# Altium PCB DRV8432有刷直流电机驱动.PcbDoc
Units mm, origin at the board's own origin, x right, y up, seen from the top; angles counter-clockwise.
Board outline 50 x 90 mm, 2 copper layers (Top Layer, Bottom Layer); 84 components, 58 nets, 263 pads, 85 vias.
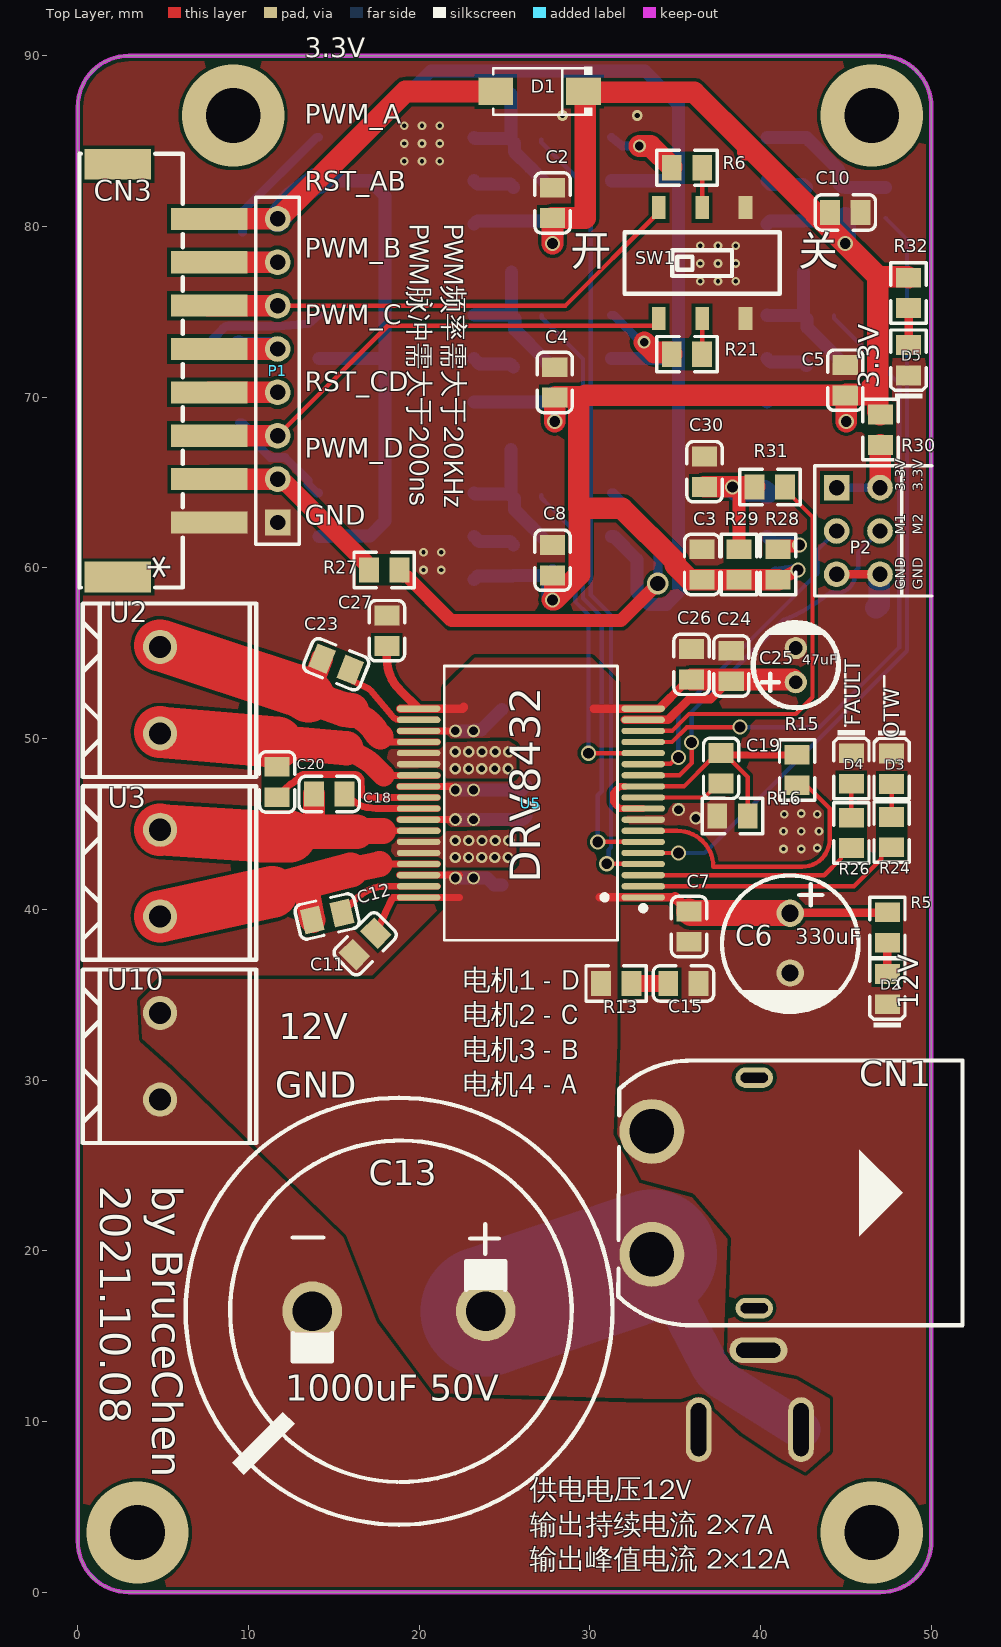
[diagram p0: Top Layer view]
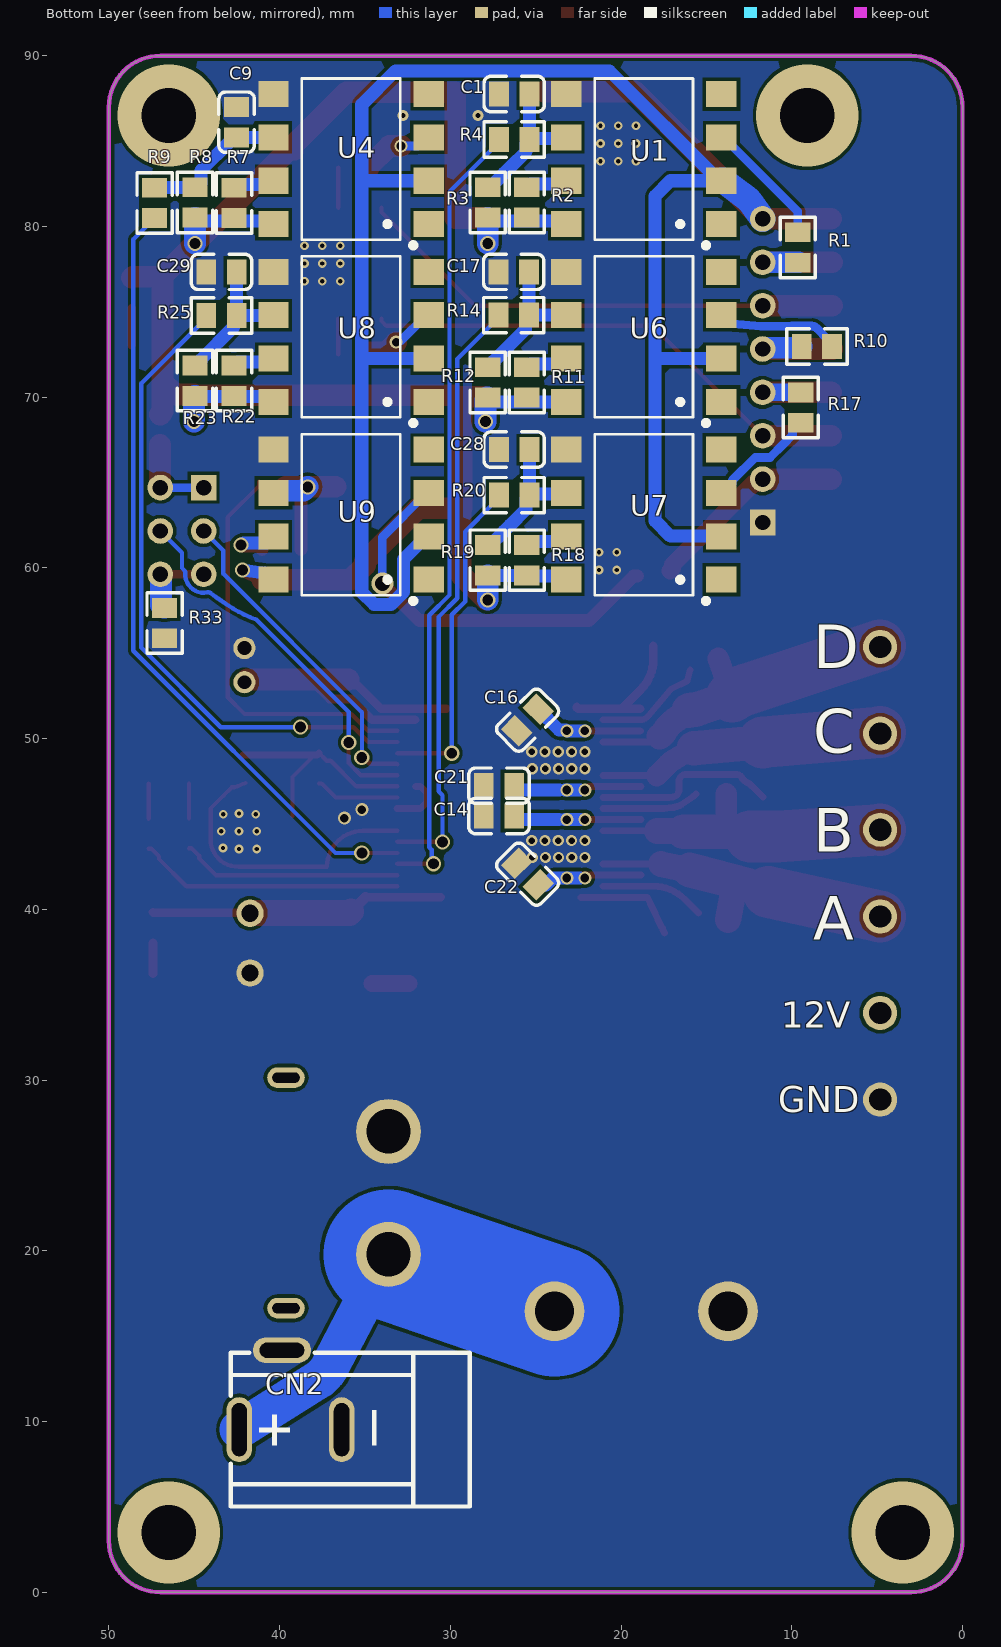
[diagram p1: Bottom Layer view, seen from below]
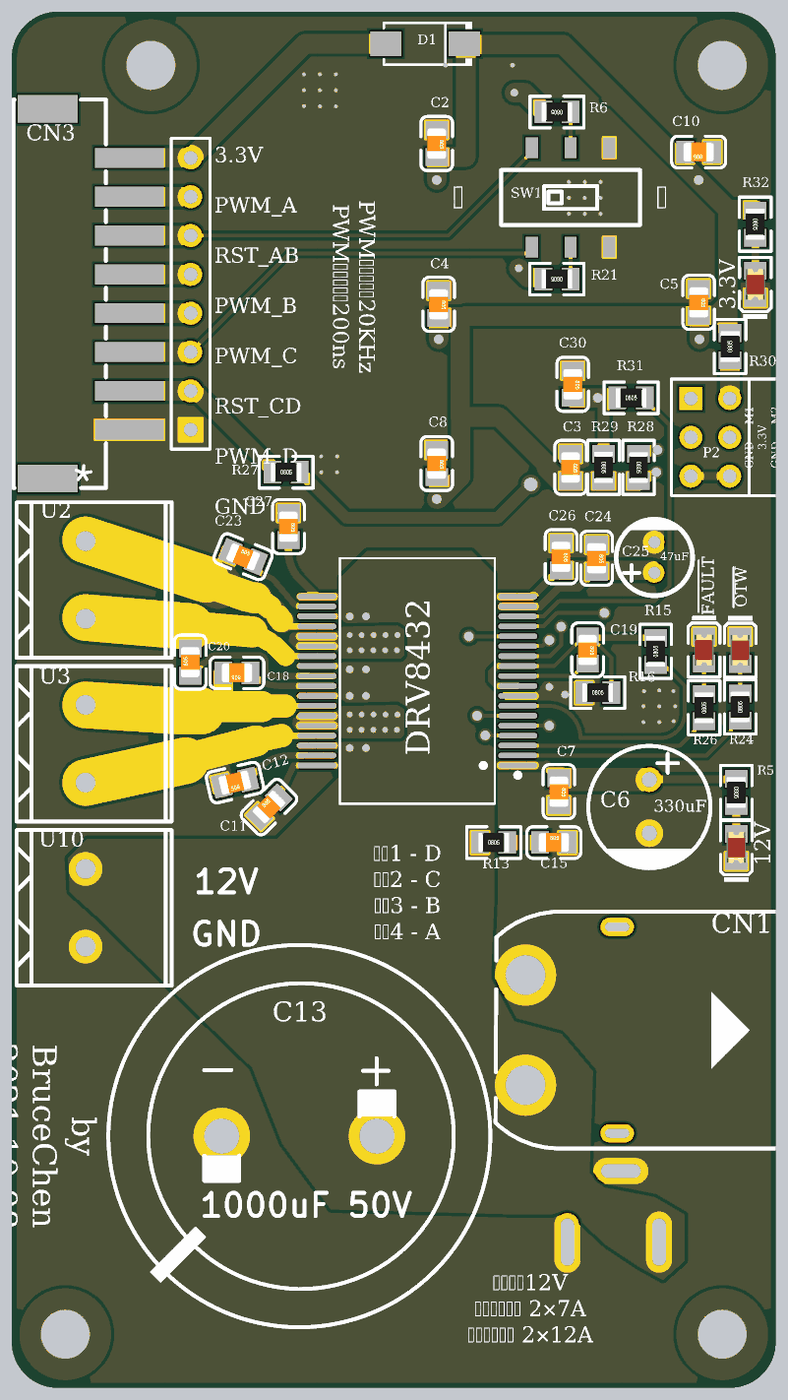
[diagram p2: 3D render of the assembled board from above, using the file's embedded part models]
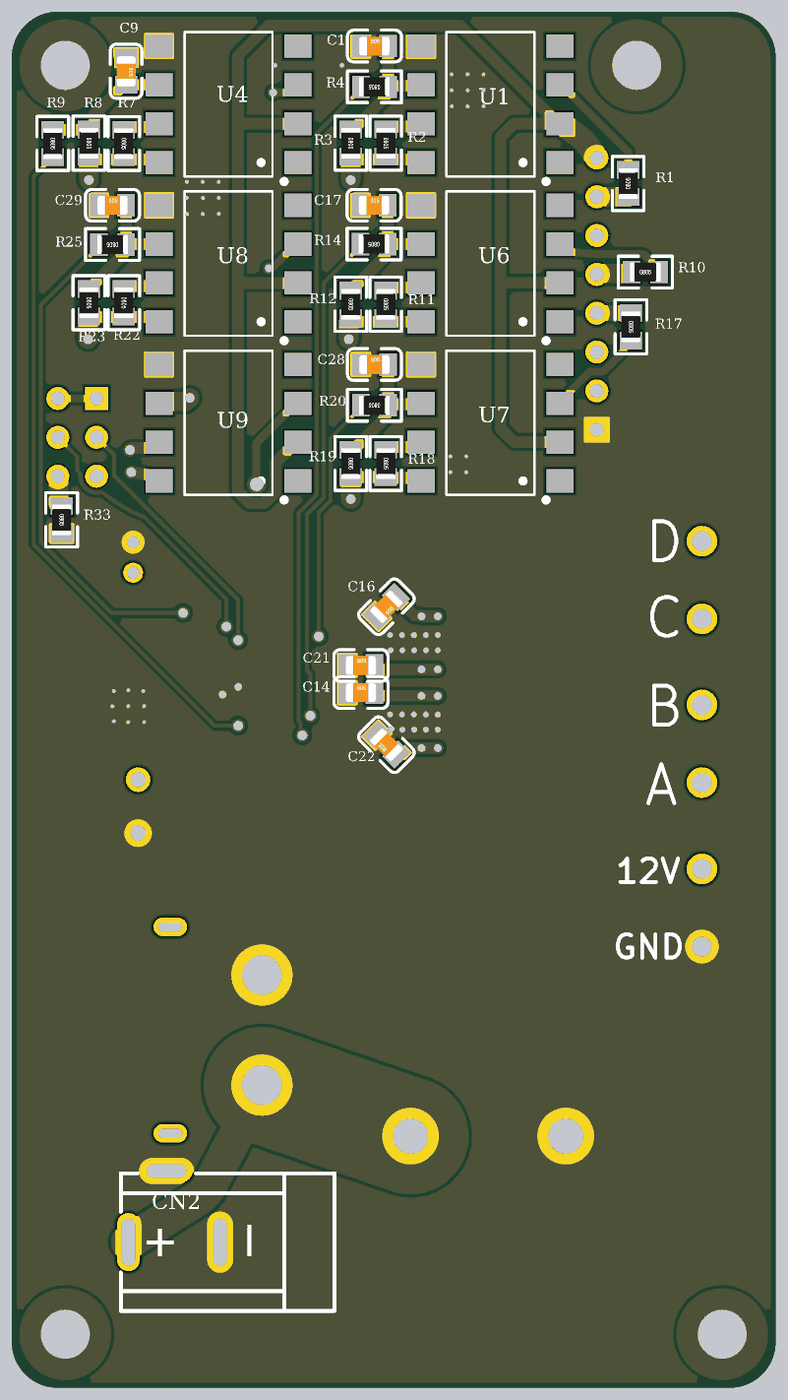
[diagram p3: 3D render of the assembled board from below, using the file's embedded part models]

## Layer stack, top to bottom
Top Solder: solder mask 0.0102, Solder Resist, Dk 3.5
Top Layer: signal copper 0.0356
Dielectric 1: dielectric 0.32, FR-4, Dk 4.8
Bottom Layer: signal copper 0.0356
Bottom Solder: solder mask 0.0102, Solder Resist, Dk 3.5

## Board outline
0,3 0,87 cw(c3,87) 3,90 47,90 cw(c47,87) 50,87 50,3 cw(c47,3) 47,0 3,0 cw(c3,3)

## Design rules (kind name [scope] priority, off if disabled: settings)
Clearance [All] p1: gap=0.203 ignorepadtopadclearanceinfootprint=FALSE
HoleSize [All] p1: absolutevalues=TRUE maxlimit=2539.975 minlimit=0.025 maxpercent=80.000 minpercent=20.000
PlaneConnect [All] p1: planeconnectstyle=Direct reliefexpansion=0.508 reliefentries=4 reliefconductorwidth=0.254 reliefairgap=0.254
PolygonConnect [All] p1: connectstyle=Direct reliefconductorwidth=0.254 reliefentries=4 polygonreliefangle="90 Angle" airgapwidth=0.254
RoutingVias [All] p1: holewidth=0.711 width=1.27 viastyle="Through Hole" minholewidth=0.254 minwidth=0.508 maxholewidth=2539.975 maxwidth=2539.975
SolderMaskExpansion [All] p1: expansion=0.102 istentingtop=FALSE
Width [All] p1: maxlimit=2539.975 minlimit=0.203 preferedwidth=0.254
28 further rules are at their usual default settings.

## Components (designator, comment, footprint, x,y, rotation, side; value= is the part's Value field where it differs from the comment)
C1 "15pF" 0805_C 26.262,87.757 r180 bottom
C2 "100nF" 0805_C 27.813,81.381 r270 top
C3 "100nF" 0805_C 36.574,60.198 r270 top
C4 "100nF" 0805_C 27.94,70.867 r270 top
C5 "100nF" 0805_C 44.958,70.994 r270 top
C6 "Cap Pol1" CAP-TH_BD8.0-P3.50-D0.6-FD 41.732,38.024 r270 top value=330uF
C7 "1uF" 0805_C 35.809,38.989 r270 top
C8 "100nF" 0805_C 27.813,60.452 r270 top
C9 "15pF" 0805_C 42.52,86.106 r270 bottom
C10 "100nF" 0805_C 44.958,80.823 r180 top
C11 "1uF" 0805_C 16.835,37.984 r45 top
C12 "100nF" 0805_C 14.606,39.583 r193 top
C13 "Cap Pol1" CAP-TH_BD25.0-P10.00-D2.3-FD 18.821,16.459 r180 top value=1000uF
C14 "100nF" 0805_C 27.152,45.466 r180 bottom
C15 "10nF" 0805_C 35.477,35.66 r0 top
C16 "100nF" 0805_C 25.477,51.082 r315 bottom
C17 "15pF" 0805_C 26.289,77.343 r180 bottom
C18 "100nF" 0805_C 14.732,46.761 r180 top
C19 "100nF" 0805_C 37.69,48.263 r270 top
C20 "100nF" 0805_C 11.684,47.461 r90 top
C21 "100nF" 0805_C 27.152,47.244 r180 bottom
C22 "100nF" 0805_C 25.476,42.062 r45 bottom
C23 "100nF" 0805_C 15.138,54.356 r338 top
C24 "1uF" 0805_C 38.278,54.254 r270 top
C25 "Cap Pol1" CAP-TH_BD5.0-P2.00-D0.8-FD 42.062,54.305 r90 top value=47uF
C26 "1uF" 0805_C 35.954,54.356 r270 top
C27 "1uF" 0805_C 18.109,56.323 r270 top
C28 "15pF" 0805_C 26.262,66.929 r180 bottom
C29 "15pF" 0805_C 43.407,77.343 r180 bottom
C30 "15pF" 0805_C 36.715,65.635 r270 top
CN1 "XT60输入" XT60座子 36.627,23.393 r180 top
CN2 "DC电源输出" DC接口5.5*2.1 36.614,9.633 r0 bottom
CN3 "XH2.54-8AB" CONN-SMD_8P-P2.54_XH2.54-8AB 5.025,71.552 r90 top
D1 "SS14_C181211" SMA_L4.4-W2.8-LS5.4-RD 27.051,87.909 r180 top
D2 "LED 0805" 0805_LED_S1 47.422,35.333 r90 top
D3 "LED 0805" 0805_LED_S1 47.676,48.238 r270 top
D4 "LED 0805" 0805_LED_S1 45.314,48.252 r270 top
D5 "LED 0805" 0805_LED_S1 48.666,72.166 r90 top
P1 "Header 8" HDR1X8 11.709,62.662 r90 top
P2 "模式切换跳线" HDR2X3 44.45,64.704 r270 top
R1 "2KΩ" 0805_R 9.652,78.765 r90 bottom
R2 "10KΩ" 0805_R 25.527,81.406 r270 bottom
R3 "4.7KΩ" 0805_R 27.813,81.406 r270 bottom
R4 "1KΩ" 0805_R 26.262,85.09 r0 bottom
R5 "10KΩ" 0805_R 47.422,38.938 r270 top
R6 "2KΩ" 0805_R 35.686,83.439 r180 top
R7 "10KΩ" 0805_R 42.672,81.38 r270 bottom
R8 "4.7KΩ" 0805_R 44.958,81.407 r270 bottom
R9 "1KΩ" 0805_R 47.32,81.382 r270 bottom
R10 "2KΩ" 0805_R 8.534,72.974 r180 bottom
R11 "10KΩ" 0805_R 25.527,70.866 r270 bottom
R12 "4.7KΩ" 0805_R 27.813,70.866 r270 bottom
R13 "3.3Ω" 0805_R 31.541,35.66 r0 top
R14 "1KΩ" 0805_R 26.289,74.803 r0 bottom
R15 "Roc_adj" 0805_R 42.14,48.161 r90 top
R16 "1Ω" 0805_R 38.354,45.466 r0 top
R17 "2KΩ" 0805_R 9.479,69.393 r270 bottom
R18 "10KΩ" 0805_R 25.527,60.452 r270 bottom
R19 "4.7KΩ" 0805_R 27.813,60.452 r270 bottom
R20 "1KΩ" 0805_R 26.262,64.261 r0 bottom
R21 "2KΩ" 0805_R 35.684,72.517 r180 top
R22 "10KΩ" 0805_R 42.672,70.967 r270 bottom
R23 "4.7KΩ" 0805_R 44.958,70.967 r270 bottom
R24 "10KΩ" 0805_R 47.676,44.526 r90 top
R25 "1KΩ" 0805_R 43.407,74.777 r0 bottom
R26 "10KΩ" 0805_R 45.314,44.475 r90 top
R27 "2KΩ" 0805_R 17.952,59.881 r0 top
R28 "10KΩ" 0805_R 41.021,60.198 r270 top
R29 "4.7KΩ" 0805_R 38.735,60.199 r270 top
R30 "4.7KΩ" 0805_R 47.015,68.097 r90 top
R31 "1KΩ" 0805_R 40.538,64.745 r0 top
R32 "10KΩ" 0805_R 48.666,76.105 r270 top
R33 "1Ω" 0805_R 46.736,56.769 r270 bottom
SW1 "开关" 贴片6P拨动开关 36.576,77.851 r180 top
U1 "6N137S-TA1" SOP-8_L9.8-W6.6-P2.54-LS10.3-BL 18.669,83.947 r90 bottom
U2 "电机2" 2Pin大接线端子 4.826,52.833 r270 top
U3 "电机1" 2Pin大接线端子 4.826,42.123 r270 top
U4 "6N137S-TA1" SOP-8_L9.8-W6.6-P2.54-LS10.3-BL 35.814,83.947 r90 bottom
U5 "DRV8432DKDR" HSSOP-36_L16.0-W11.0-P0.65-LS14.2-BL 26.543,46.228 r90 top
U6 "6N137S-TA1" SOP-8_L9.8-W6.6-P2.54-LS10.3-BL 18.669,73.533 r90 bottom
U7 "6N137S-TA1" SOP-8_L9.8-W6.6-P2.54-LS10.3-BL 18.669,63.119 r90 bottom
U8 "6N137S-TA1" SOP-8_L9.8-W6.6-P2.54-LS10.3-BL 35.814,73.533 r90 bottom
U9 "6N137S-TA1" SOP-8_L9.8-W6.6-P2.54-LS10.3-BL 35.814,63.119 r90 bottom
U10 "电机2" 2Pin大接线端子 4.826,31.394 r270 top

## Footprints (in the part's own frame and the unit in brackets; to place one, negate y for a bottom-side part, rotate by r counter-clockwise, add the part's x,y. Pads: shape width x height; smd on the part's side, far side on the other; paste and mask are expansions set on the pad)
2Pin大接线端子 [mm]
  round 2 hole 1.3: 1(-2.54,0) 2(2.54,0)
  silkscreen extent -5.08,-4.52 5.08,5.64
0805_C [mm]
  rect 1.16x1.47 smd: 1(-0.89,0) 2(0.89,0)
  silkscreen extent -1.77,-1.04 1.77,1.04, body extent -1,-0.63 1,0.63, height 0.77
0805_LED_S1 [mm]
  rect 1.16x1.47 smd: A(0.89,0) K(-0.89,0)
  silkscreen extent -2.24,-1.04 1.77,1.03, body extent -1.01,-0.62 1.01,0.62, height 1.1
0805_R [mm]
  rect 1.16x1.47 smd: 1(-0.89,0) 2(0.89,0)
  silkscreen extent -1.77,-1.04 1.77,1.03, body extent -1,-0.63 1,0.63, height 0.49
CAP-TH_BD5.0-P2.00-D0.8-FD [mm]
  round 1.3 hole 0.8: 1(-1,0) 2(1,0)
  silkscreen extent -2.5,-2.5 2.5,2.5
CAP-TH_BD8.0-P3.50-D0.6-FD [mm]
  round 1.6 hole 1: 1(-1.75,0) 2(1.75,0)
  silkscreen extent -3.96,-4 4.04,4
CAP-TH_BD25.0-P10.00-D2.3-FD [mm]
  round 3.5 hole 2.3: 1(-5.08,0) 2(5.08,0)
  silkscreen extent -12.5,-12.5 12.5,12.5
CONN-SMD_8P-P2.54_XH2.54-8AB [mm]
  rect 1.3x4.5 smd: 1(-8.89,-2.675) 2(-6.35,-2.675) 3(-3.81,-2.675) 4(-1.27,-2.675) 5(1.27,-2.675) 6(3.81,-2.675) 7(6.35,-2.675) 8(8.89,-2.675)
  rect 1.8x3.9 smd: 9(-12.09,2.675) 10(12.09,2.675)
  silkscreen extent -12.7,-1.13 12.7,4.93
DC接口5.5*2.1 [mm]
  oval 1.5x3.8 hole 0.9 slot 3.1 at 90 deg: 1(5.753,0.108) 2(-0.247,0.108)
  oval 3.4x1.5 hole 0.9 slot 2.6 at 0 deg: 3(3.253,-4.542)
  silkscreen extent -7.75,-4.39 6.25,4.61
HDR1X8 [mm] "Connector; Header; 8 Position"
  rect 1.5x1.5 hole 0.9: 1(0,0)
  round 1.5 hole 0.9: 2(2.54,0) 3(5.08,0) 4(7.62,0) 5(10.16,0) 6(12.7,0) 7(15.24,0) 8(17.78,0)
  silkscreen extent -1.27,-1.27 19.05,1.27
HDR2X3 [mm] "Connector; Header; 3x2 Position"
  rect 1.5x1.5 hole 0.9: 1(0,0)
  round 1.5 hole 0.9: 2(0,2.54) 3(2.54,0) 4(2.54,2.54) 5(5.08,0) 6(5.08,2.54)
  silkscreen extent -1.27,-1.27 6.35,3.81
HSSOP-36_L16.0-W11.0-P0.65-LS14.2-BL [mm]
  oval 0.364x2.552 smd: 1(-5.525,-6.576) 2(-4.875,-6.576) 3(-4.225,-6.576) 4(-3.575,-6.576) 5(-2.925,-6.576) 6(-2.275,-6.576) 7(-1.625,-6.576) 8(-0.975,-6.576) 9(-0.325,-6.576) 10(0.325,-6.576) 11(0.975,-6.576) 12(1.625,-6.576) 13(2.275,-6.576) 14(2.925,-6.576) 15(3.575,-6.576) 16(4.225,-6.576) 17(4.875,-6.576) 18(5.525,-6.576) 19(5.525,6.576) 20(4.875,6.576) 21(4.225,6.576) 22(3.575,6.576) 23(2.925,6.576) 24(2.275,6.576) 25(1.625,6.576) 26(0.975,6.576) 27(0.325,6.576) 28(-0.325,6.576) 29(-0.975,6.576) 30(-1.625,6.576) 31(-2.275,6.576) 32(-2.925,6.576) 33(-3.575,6.576) 34(-4.225,6.576) 35(-4.875,6.576) 36(-5.525,6.576)
  silkscreen extent -8.03,-6.73 8.03,5.07
SMA_L4.4-W2.8-LS5.4-RD [mm]
  rect 2.046x1.62 smd: 1(-2.566,0) 2(2.565,0)
  silkscreen extent -3.08,-1.44 2.7,1.44
SOP-8_L9.8-W6.6-P2.54-LS10.3-BL [mm]
  rect 1.525x1.78 smd: 1(-3.81,-4.545) 2(-1.27,-4.545) 3(1.27,-4.545) 4(3.81,-4.545) 5(3.81,4.545) 6(1.27,4.545) 7(-1.27,4.545) 8(-3.81,4.545)
  silkscreen extent -5.2,-3.79 4.72,2.88
XT60座子 [mm]
  round 3.8 hole 2.6: 1(3,-3.6) 2(3,3.6)
  oval 2.2x1.2 hole 0.6 slot 1.6 at 0 deg: 3(-3,6.75) 4(-3,-6.75)
  silkscreen extent -15.2,-7.75 4.96,7.75
贴片6P拨动开关 [mm]
  rect 0.8x1.35 smd: 1(-2.54,3.25) 2(0,3.25) 3(2.54,3.25) 4(-2.54,-3.25) 5(0,-3.25) 6(2.54,-3.25)
  silkscreen extent -4.55,-1.8 4.55,1.8

## Part data
C1 C9 C17 C28 C29 C30: library part "0805 15pF (150) 5% 50V", "贴片电容", Package=0805, SuppliersPartNumber=C1794, ComponentLink1Description=供应商链接, ComponentLink1URL=http://www.szlcsc.com/product/details_2146.html, Supplier=LC
C2 C3 C4 C5 C8 C10 C12 C14 C16 C18 C19 C20 C21 C22 C23: library part "0805 100nF(104) 10% 50V", "贴片电容", Package=0805, SuppliersPartNumber=C49678, ComponentLink1Description=供应商链接, ComponentLink1URL=http://www.szlcsc.com/product/details_50686.html, Supplier=LC
C6 C13 C25: "Polarized Capacitor (Radial)", LatestRevisionDate=17-Jul-2002, LatestRevisionNote="Re-released for DXP Platform.", PackageDescription="Polarized Capacitor (Radial); 2 Leads", PackageReference=RB7.6-15, Published=8-Jun-2000, Publisher="Altium Limited"
C7 C11 C24 C26 C27: library part "0805 1uF (105) 10% 50V", "贴片电容", Package=0805, SuppliersPartNumber=C28323, ComponentLink1Description=供应商链接, ComponentLink1URL=http://www.szlcsc.com/product/details_29074.html, Supplier=LC
C15: library part "0805 10nF (103) 10% 50V", "贴片电容", Package=0805, SuppliersPartNumber=C1710, ComponentLink1Description=供应商链接, ComponentLink1URL=http://www.szlcsc.com/product/details_2062.html, Supplier=LC
CN1: library part XT60, BOM_JLCPCB Part Class="Extended Part", BOM_Manufacturer=AMASS(艾迈斯), BOM_Manufacturer Part=XT60PW-M, BOM_Supplier=LCSC, BOM_Supplier Part=C98732, Contributor=LCSC, spicePre=C, spiceSymbolName=XT60PW-M
CN2: library part DC接口2251, BOM_JLCPCB Part Class="Extended Part", BOM_Manufacturer=HRO, BOM_Manufacturer Part=DC-005-20A, BOM_Supplier=LCSC, BOM_Supplier Part=C136744, Contributor=LCSC, spicePre=D, spiceSymbolName=DC-005-20A_C136744
CN3: BOM_JLCPCB Part Class="Extended Part", BOM_Manufacturer="Boom Precision Elec", BOM_Manufacturer Part=-, BOM_Supplier=LCSC, BOM_Supplier Part=C146131, Contributor=LCSC, spicePre=C, spiceSymbolName=XH2.54-8AB
D1: BOM_JLCPCB Part Class="Extended Part", BOM_Manufacturer=Hottech, BOM_Manufacturer Part=SS14, BOM_Supplier=LCSC, BOM_Supplier Part=C181211, Contributor=LCSC, spicePre=D, spiceSymbolName=SS14_C181211
D2 D3 D4 D5: library part "0805 白灯", "发光二极管", Package=0805, SuppliersPartNumber=C34499, ComponentLink1Description=供应商链接, ComponentLink1URL=http://www.szlcsc.com/product/details_35468.html, Supplier=LC
P1: "Header, 8-Pin", LatestRevisionDate=17-Jul-2002, LatestRevisionNote="Re-released for DXP Platform.", Publisher="Altium Limited"
P2: library part "Header 3X2", "Header, 3-Pin, Dual row", LatestRevisionDate=17-Jul-2002, LatestRevisionNote="Re-released for DXP Platform.", Publisher="Altium Limited"
R1 R6 R10 R17 R21 R27: library part "0805 2KΩ (2001) 1%", "贴片电阻", Package=0805, SuppliersPartNumber=C17604, ComponentLink1Description=供应商链接, ComponentLink1URL=http://www.szlcsc.com/product/details_18292.html, Supplier=LC
R2 R5 R7 R11 R18 R22 R24 R26 R28 R32: library part "0805 10KΩ (1002) 1%", "贴片电阻", Package=0805, SuppliersPartNumber=C17414, ComponentLink1Description=供应商链接, ComponentLink1URL=http://www.szlcsc.com/product/details_18102.html, Supplier=LC
R3 R8 R12 R19 R23 R29 R30: library part "0805 4.7KΩ (4701) 1%", "贴片电阻", Package=0805, SuppliersPartNumber=C17673, ComponentLink1Description=供应商链接, ComponentLink1URL=http://www.szlcsc.com/product/details_18361.html, Supplier=LC
R4 R9 R14 R20 R25 R31: library part "0805 1KΩ (1001) 1%", "贴片电阻", Package=0805, SuppliersPartNumber=C17513, ComponentLink1Description=供应商链接, ComponentLink1URL=http://www.szlcsc.com/product/details_18201.html, Supplier=LC
R13: library part "0805 3.3KΩ (3301) 1%", "贴片电阻", Package=0805, SuppliersPartNumber=C26010, ComponentLink1Description=供应商链接, ComponentLink1URL=http://www.szlcsc.com/product/details_26753.html, Supplier=LC
R15 R16 R33: library part "0805 1Ω (1R00) 1%", "贴片电阻", Package=0805, SuppliersPartNumber=C25271, ComponentLink1Description=供应商链接, ComponentLink1URL=http://www.szlcsc.com/product/details_26014.html, Supplier=LC
SW1: library part 6P拨动开关, BOM_JLCPCB Part Class="Extended Part", BOM_Manufacturer="XKB Enterprise", BOM_Manufacturer Part=SS-3235S-L3, BOM_Supplier=LCSC, BOM_Supplier Part=C381098, Contributor=LCSC, spicePre=S, spiceSymbolName=SS-3235S-L3
U1 U4 U6 U7 U8 U9: BOM_JLCPCB Part Class="Extended Part", BOM_Manufacturer=LITEON, BOM_Manufacturer Part=6N137S-TA1, BOM_Supplier=LCSC, BOM_Supplier Part=C92651, spicePre=U, spiceSymbolName=6N137S-TA1
U2 U3 U10: library part 接线端子
U5: BOM_JLCPCB Part Class="Extended Part", BOM_Manufacturer=TI, BOM_Manufacturer Part=DRV8432DKDR, BOM_Supplier=LCSC, BOM_Supplier Part=C79853, spicePre=U, spiceSymbolName=DRV8432DKDR

## Via types
v1: diameter 0.508, hole 0.254, Top Layer to Bottom Layer, tented both sides, 31 vias
v2: diameter 0.66, hole 0.381, Top Layer to Bottom Layer, tented both sides, 20 vias
v3: diameter 0.889, hole 0.635, Top Layer to Bottom Layer, tented both sides, 15 vias
v4: diameter 0.762, hole 0.508, Top Layer to Bottom Layer, tented both sides, 12 vias
v5: diameter 6, hole 3.2, Top Layer to Bottom Layer, tented both sides, 4 vias
v6: diameter 0.635, hole 0.305, Top Layer to Bottom Layer, tented both sides, 2 vias
v7: diameter 1.27, hole 0.889, Top Layer to Bottom Layer, tented both sides, 1 vias

## Nets (pads, with @x,y where several pads share a name; then routed paths per layer and width w, separated by ;. In a path a pad name is that pad's centre, name@x,y a point inside that pad or via, vN(x,y) a via of type N, cw(c..) or ccw(c..) an arc to the next point about the centre after c; other vN are vias at no path point)
3.3V: C2.2 C3.2 C4.2 C5.2 C8.2 C10.2 D1.1 R2.2 R3.2 R7.2 R8.2 R11.2 R12.2 R18.2 R19.2 R22.2 R23.2 R28.2 R29.2 R30.2 R32.1 U1.8 U4.8 U6.8 U7.8 U8.8 U9.8 | length 126.7
  Top Layer w0.762: R28.2 v3(42.184,59.881)
  Top Layer w1.016: v3(27.813,58.127) C8.2 ; 39.116,84.368 39.35,84.602
  Top Layer w1.27: v3(27.813,58.127) 27.901,58.127 29.386,59.612 29.386,63.453 29.339,63.5 29.339,70.032 ; v3(27.813,78.994) C2.2 29.718,80.491 29.718,87.855 29.781,87.855 36.097,87.855 39.35,84.602 46.863,77.089 ; v3(27.94,68.58) C4.2 27.995,70.032 29.339,70.032 ; 29.845,63.5 31.878,63.5 35.001,60.377 35.001,60.161 35.854,59.308 R29.2 R28.2 ; v3(45.013,68.58) 45.013,70.049 C5.2 ; R30.2 46.97,68.987 46.915,69.042 46.915,69.087 46.863,69.14 46.863,70.903 ; R32.1 48.611,77.05 46.902,77.05 46.863,77.089 ; 29.339,70.032 29.646,70.032 29.718,70.104 39.116,70.104 C5.2 ; C5.2 45.013,70.159 46.119,70.159 46.863,70.903 ; 46.863,70.903 46.863,77.089
  Bottom Layer w0.762: U7.8 23.417,59.512 25.477,59.512 R18.2 R19.2 ; U6.8 27.405,69.723 27.658,69.976 R12.2 ; U1.8 23.403,80.326 27.624,80.326 R3.2 ; U9.8 40.868,59.69 v3(42.184,59.881) ; U8.8 40.663,70.027 42.622,70.027 R22.2 42.722,70.027 44.908,70.027 R23.2 ; U4.8 40.548,80.326 42.509,80.326 R7.2 42.835,80.326 44.767,80.326 R8.2
  Bottom Layer w1.27: v3(27.813,58.127) R19.2 ; R12.2 27.858,69.976 27.913,69.921 27.913,69.876 27.94,69.849 v3(27.94,68.58) ; v3(27.813,78.994) R3.2 ; R23.2 45.013,70.022 v3(45.013,68.58) ; v3(44.958,78.994) R8.2
3.3V-IN: CN3.8 D1.2 P1.8 U1.2 U4.2 U6.2 U7.2 U8.2 U9.2 | length 122.7
  Top Layer w1.27: CN3.8 P1.8 ; P1.8@11.722,80.429 19.202,87.909 D1.2
  Bottom Layer w0.762: U1.2@13.996,82.677 17.116,82.677 18.009,81.784 18.009,72.271 ; U6.2 14.252,72.263 18.009,72.271 ; U1.2 14.252,82.677 20.678,89.104 33.223,89.104 35.191,87.136 35.191,82.677 ; U7.2 14.699,61.849 14.714,61.864 17.116,61.864 18.009,62.757 18.009,72.271 ; U9.2 31.397,61.849 32.752,60.493 32.752,58.582 33.467,57.867 34.477,57.867 35.191,58.582 35.191,72.271 ; U8.2 31.274,72.258 35.178,72.258 35.191,72.271 ; U4.2 35.191,82.677 ; 35.191,72.271 35.191,82.677
  Bottom Layer w1.524: P1.8 12.453,81.466 cw(c13.234,80.899) 12.655,81.672 13.996,82.677 U1.2
12V: C6.1 C7.1 C11.2 C13.1 C14.2 C16.1 C21.2 C22.1 C24.2 C25.1 C26.2 C27.2 CN1.2 CN2.1 R5.1 R13.1 U5.1 U5.17 U5.18 U5.19 U5.21 U5.26 U5.29 U5.34 U5.36 U10.1 | length 101.1
  Top Layer w0.406: C11.2 17.596,38.942 17.639,38.986 17.952,39.648 18.02,39.792 18.449,40.703 U5.36 22.365,40.703 ; U5.34@18.847,42.003 U5.34 v4@22.365,42.003 ; U5.29@18.847,45.253 U5.29 v4@22.073,45.253 ; U5.26@18.847,47.203 U5.26 v4@21.903,47.203 ; U5.21@18.872,50.453 U5.21 v4@21.998,50.453
  Top Layer w0.508: C27.2 18.109,54.663 ccw(c20.649,54.663) 18.853,52.867 U5.19 ; U5.19@18.895,51.753 U5.19 ; 22.606,51.867 cw(c22.492,51.867) 22.492,51.753 U5.19 ; 30.241,51.753 U5.18 34.069,51.753 35.456,53.14 35.628,53.14 C26.2 ; 30.582,40.703 U5.1 34.985,40.703 ; U5.17@32.06,51.103 34.596,51.103 35.817,52.324 37.082,52.324 38.123,53.364 C24.2 ; C6.1 41.759,39.801 47.395,39.801 R5.1
  Top Layer w0.635: 34.985,40.703 C7.1@35.328,40.36
  Top Layer w1.27: C26.2 41.893,53.466 42.054,53.305 C25.1
  Top Layer w1.524: C7.1 35.914,39.774 C6.1
  Bottom Layer w0.762: v4(22.12,50.453) v4(23.183,50.453) 23.232,50.502 23.637,50.502 C16.1@24.847,51.712 ; v4@22.365,41.842 23.977,41.842 24.386,41.433 C22.1 ; v4@22.365,45.253 v4@23.329,45.253 ; v4@22.365,46.99 v4@23.31,46.99 ; 23.614,46.99 26.008,46.99 C21.2 ; 23.635,45.253 26.063,45.253 26.262,45.452 C14.2
  Bottom Layer w2.286: CN1.2 37.058,13.207 ccw(c38.917,14.175) 37.8,12.401 CN2.1
  Bottom Layer w7.62: C13.1 CN1.2
  other v4: 22.12,41.842 23.183,41.842 22.12,45.253 23.183,45.253 22.12,46.99 23.183,46.99
FAULT: R26.1 U5.3 | length 12.9
  Top Layer w0.254: U5.3 43.731,42.003 44.706,42.977 44.706,43.132 45.159,43.585 R26.1
GND: C1.1 C2.1 C3.1 C4.1 C5.1 C6.2 C7.2 C8.1 C9.1 C10.1 C11.1 C13.2 C14.1 C15.2 C16.2 C17.1 C21.1 C22.2 C24.1 C25.2 C26.1 C27.1 C28.1 C29.1 C30.1 CN1.1 CN2.2 CN2.3 CN3.1 D2.K D3.K D4.K D5.K P1.1 R16.1 R33.2 SW1.1 SW1.4 U1.5 U4.5 U5.8 U5.23 U5.24 U5.31 U5.32 U6.5 U7.5 U8.5 U9.5 U10.2
  other v1: 41.338,43.536 42.38,43.536 43.322,43.593 41.338,44.577 42.38,44.577 43.421,44.577 41.392,45.564 43.312,45.571 42.38,45.618 20.249,59.88 21.29,59.88 20.249,60.921 21.29,60.921 36.458,76.784 37.499,76.784 38.541,76.784 36.458,77.826 37.499,77.826 38.541,77.826 36.458,78.867 37.499,78.867 38.541,78.867 19.126,83.82 20.168,83.82 21.209,83.82 19.126,84.861 20.168,84.861 21.209,84.861 19.126,85.903 20.168,85.903 21.209,85.903
  other v2: 22.12,43.038 22.892,43.038 23.663,43.038 24.434,43.038 25.206,43.038 22.12,44.031 22.9,44.031 23.68,44.031 24.459,44.031 25.239,44.031 22.12,48.238 22.892,48.238 23.663,48.238 24.434,48.238 25.206,48.238 22.12,49.231 22.9,49.231 23.68,49.231 24.459,49.231 25.239,49.231
  other v4: 36.208,45.34 35.186,45.836
  other v6: 28.39,86.5 32.777,86.5
M1: P2.3 U5.13 | length 19.3
  Top Layer w0.254: U5.13 33.14,48.524 34.724,48.524 35.095,48.895 v3(35.191,48.895)
  Bottom Layer w0.254: v3(35.191,48.895) 35.179,48.907 35.179,51.537 43.307,59.665 43.307,61.021 P2.3
M2: P2.4 U5.12 | length 22.1
  Top Layer w0.254: U5.12 35.244,47.853 35.965,48.574 35.965,49.768 v3(35.954,49.78)
  Bottom Layer w0.254: v3(35.954,49.78) 35.956,51.564 41.359,56.967 ccw(c39.123,63.411) 42.742,57.63 ccw(c33.748,72.004) 44.029,58.52 cw(c44.182,58.317) 44.232,58.566 ccw(c44.45,59.624) 45.528,59.687 cw(c45.782,59.7) 45.604,59.881 ccw(c33.748,72.004) 45.72,59.996 45.72,60.894 P2.4
NetC1_2: C1.2 R3.1 R4.1 U1.6 | length 8.8
  Bottom Layer w0.762: U1.6 23.277,85.153 25.308,85.153 R4.1 ; C1.2 R4.1 ; R3.1 27.658,82.296 26.846,83.108 26.846,83.118 26.504,83.46 26.494,83.46 25.571,84.383 25.571,84.891 R4.1
NetC9_2: C9.2 R8.1 R9.1 U4.6 | length 8.6
  Bottom Layer w0.762: U4.6 42.672,85.217 42.674,85.217 42.874,85.017 42.874,85.015 44.604,83.285 44.604,82.496 44.803,82.297 R8.1 44.971,82.284 47.307,82.284 R9.1
NetC12_1: C12.1 U5.35 | length 6.1
  Top Layer w0.406: C12.1 16.299,40.609 cw(c18.095,38.813) 18.095,41.353 U5.35 U5.35@21.061,41.353
NetC15_1: C15.1 R13.2 | length 2.2
  Top Layer w1.016: R13.2 C15.1
NetC17_2: C17.2 R12.1 R14.1 U6.6 | length 8.9
  Bottom Layer w0.762: U6.6 R14.1 ; C17.2 R14.1 ; R12.1 27.658,71.756 27.459,71.955 27.459,72.11 25.598,73.971 25.598,74.604 R14.1
NetC18_1: C18.1 U5.28 | length 5.7
  Top Layer w0.406: C18.1 C18.1@15.735,46.648 ; C18.1@15.736,46.647 ccw(c16.022,46.936) 15.791,46.602 16.437,46.155 ccw(c17.015,46.991) 16.834,45.992 ccw(c17.383,49.093) 16.99,45.968 17.482,45.906 ccw(c17.532,46.309) 17.532,45.903 U5.28 U5.28@21.061,45.903
NetC19_1: C19.1 R15.2 R16.2 U5.9 U5.11 | length 17.6
  Top Layer w0.254: U5.11 35.514,47.203 37.011,48.7 37.237,48.7 C19.1 37.845,49.153 39.244,47.754 R16.2
  Top Layer w0.406: U5.11@32.046,47.203 32.025,47.203 32.024,47.203 31.754,47.203 31.564,47.013 31.374,46.822 31.374,46.553 31.374,46.284 31.564,46.093 31.754,45.903 32.024,45.903 32.025,45.903 U5.9 ; C19.1 37.792,49.051 R15.2
NetC19_2: C19.2 U5.10 | length 4.9
  Top Layer w0.254: U5.10 36.715,46.553 37.535,47.373 C19.2
NetC20_1: C20.1 U5.27 | length 10.9
  Top Layer w0.406: C20.1 12.272,47.159 cw(c14.068,45.363) 12.462,47.331 cw(c12.718,47.015) 12.568,47.393 ccw(c12.419,47.771) 12.718,47.496 cw(c13.015,47.219) 12.813,47.571 cw(c14.068,45.363) 12.87,47.602 cw(c13.262,47.496) 13.262,47.903 16.202,47.903 cw(c16.202,47.496) 16.608,47.497 16.609,46.993 16.609,46.991 ccw(c17.015,46.991) 16.945,46.591 ccw(c17.383,49.093) 17.383,46.553 U5.27 U5.27@21.061,46.553
NetC23_2: C23.2 U5.20 | length 6.5
  Top Layer w0.381: C23.2 16.121,53.372 17.021,52.93 17.023,52.929 cw(c16.852,52.588) 17.144,52.833 18.4,51.336 ccw(c18.895,51.753) 18.869,51.106 18.934,51.103 ccw(c18.949,51.484) 18.949,51.103 U5.20 U5.20@21.061,51.103
NetC28_2: C28.2 R19.1 R20.1 U7.6 | length 8.9
  Bottom Layer w0.762: U7.6 23.278,64.325 25.308,64.325 R20.1 ; C28.2 R20.1 ; R19.1 27.658,61.342 26.846,62.154 26.846,62.164 26.504,62.506 26.494,62.506 25.571,63.429 25.571,64.062 R20.1
NetC29_2: C29.2 R23.1 R25.1 U8.6 | length 8.8
  Bottom Layer w0.762: U8.6 40.372,74.79 42.504,74.79 R25.1 ; C29.2 R25.1 ; R23.1 44.803,71.857 44.604,72.056 44.604,72.206 42.716,74.094 42.716,74.578 R25.1
NetC30_2: C30.2 R29.1 R31.1 U9.6 | length 8.9
  Top Layer w0.762: R29.1 v3@38.735,64.745
  Top Layer w1.27: C30.2 v3(38.354,64.745) 38.735,64.745 R31.1
  Bottom Layer w0.762: U9.6@40.231,64.389 U9.6
  Bottom Layer w1.27: v3(38.354,64.745) 38.582,64.516 40.232,64.516 U9.6
NetD2_A: D2.A R5.2 | length 1.8
  Top Layer w0.508: D2.A R5.2
NetD3_A: D3.A R24.2 | length 2
  Top Layer w0.254: R24.2@47.676,45.315 D3.A
NetD4_A: D4.A R26.2 | length 2
  Top Layer w0.254: R26.2@45.314,45.329 D4.A
NetD5_A: D5.A R32.2 | length 2.2
  Top Layer w0.508: D5.A R32.2
NetP2_1: P2.1 P2.2 R30.1 | length 5.1
  Top Layer w1.27: P2.2 47.003,64.717 47.003,67.195 R30.1
  Bottom Layer w0.508: P2.1 P2.2
NetP2_5: P2.5 P2.6 R33.1 | length 4.6
  Top Layer w0.508: P2.5 P2.6
  Bottom Layer w1.27: R33.1 46.781,57.659 46.946,57.824 46.946,59.58 P2.6
NetR1_2: R1.2 U1.3 | length 7.5
  Bottom Layer w0.508: R1.2 9.652,80.873 13.996,85.217 U1.3
NetR2_1: R2.1 U1.7 | length 2.5
  Bottom Layer w0.762: U1.7 23.404,82.486 25.336,82.486 R2.1
NetR4_2: R4.2 U5.4 | length 46.3
  Top Layer w0.254: v3(30.988,42.672) 30.997,42.662 33.11,42.662 U5.4
  Bottom Layer w0.254: R4.2 27.152,84.935 30.049,82.038 30.049,58.41 31.233,57.225 31.233,43.633 31.097,43.497 31.097,42.78 v3(30.988,42.672)
NetR6_2: R6.2 U4.3 | length 4.3
  Top Layer w1.27: v4(32.893,84.709) 33.572,84.709 34.796,83.484 R6.2
  Bottom Layer w0.508: U4.3 31.905,84.709 v4(32.893,84.709)
NetR7_1: R7.1 U4.7 | length 2.5
  Bottom Layer w0.762: U4.7 40.567,82.469 42.473,82.469 R7.1
NetR9_2: R9.2 U5.5 | length 46.2
  Top Layer w0.254: U5.5 v3(35.186,43.303)
  Bottom Layer w0.254: v3(35.186,43.303) 36.724,43.303 48.568,55.147 48.568,79.243 R9.2
NetR10_2: R10.2 U6.3 | length 7.2
  Bottom Layer w0.508: R10.2 7.97,73.455 8.514,74.025 cw(c8.844,73.709) 8.844,74.166 10.004,74.166 cw(c10.004,73.709) 10.008,74.166 11.701,74.155 ccw(c11.709,75.362) 11.807,74.159 13.488,74.295 U6.3
NetR11_1: R11.1 U6.7 | length 2.5
  Bottom Layer w0.762: U6.7 23.522,71.955 25.328,71.955 R11.1
NetR14_2: R14.2 U5.6 | length 35.1
  Top Layer w0.254: v3(30.459,43.954) U5.6@33.118,43.954
  Bottom Layer w0.254: R14.2 27.179,74.648 29.592,72.235 29.592,58.22 30.69,57.122 30.69,46.913 30.459,46.682 v3(30.459,43.954)
NetR15_1: R15.1 U5.7 | length 17.4
  Top Layer w0.254: U5.7 35.117,44.603 cw(c35.117,42.493) 37.228,42.493 42.431,42.493 ccw(c42.431,44.105) 44.043,44.104 44.043,44.802 44.043,45.908 43.261,46.69 42.808,47.143 42.657,47.143 42.642,47.149 R15.1@42.014,47.397
NetR17_2: R17.2 U7.3 | length 6.7
  Bottom Layer w0.508: R17.2 9.634,68.503 9.96,68.177 9.96,67.784 10.502,67.242 11.272,66.472 12.147,66.472 13.488,65.13 13.488,64.897 13.996,64.389 U7.3
NetR18_1: R18.1 U7.7 | length 2.5
  Bottom Layer w0.762: U7.7 23.522,61.541 25.328,61.541 R18.1
NetR20_2: R20.2 U5.14 | length 19.5
  Top Layer w0.254: v3(29.915,49.148) 29.917,49.15 33.116,49.15 U5.14
  Bottom Layer w0.254: R20.2 27.152,64.106 27.605,63.653 29.134,62.124 29.134,58.031 29.915,57.251 v3(29.915,49.148)
NetR21_2: R21.2 U8.3 | length 4.5
  Top Layer w1.27: v4(33.179,73.223) 33.785,72.617 34.739,72.617 34.794,72.562 R21.2
  Bottom Layer w0.508: U8.3 31.397,74.803 32.928,73.272 33.131,73.272 v4(33.179,73.223)
NetR22_1: R22.1 U8.7 | length 2.5
  Bottom Layer w0.762: U8.7 40.566,72.056 42.473,72.056 R22.1
NetR25_2: R25.2 U5.15 | length 38.3
  Top Layer w0.254: U5.15 34.81,49.803 35.68,50.673 v3(38.786,50.673)
  Bottom Layer w0.254: v3(38.786,50.673) 43.448,50.673 48.111,55.336 48.111,70.808 44.297,74.622 R25.2
NetR27_2: R27.2 U9.3 | length 23.4
  Top Layer w0.762: R27.2@19.041,59.527 19.264,59.527 21.883,56.907 31.812,56.907 33.972,59.067 v7(33.972,59.087)
  Bottom Layer w0.508: U9.3 31.397,64.389 33.991,61.794 33.991,59.107 v7(33.972,59.087)
NetR28_1: R28.1 U9.7 | length 3.5
  Top Layer w0.762: R28.1 41.22,61.287 42.179,61.287 42.234,61.342 v3(42.268,61.342)
  Bottom Layer w0.762: U9.7 40.74,61.468 42.108,61.468 42.234,61.342 v3(42.268,61.342)
NetR31_2: R31.2 U5.16 | length 24.1
  Top Layer w0.254: U5.16 34.814,50.453 35.809,51.448 42.062,51.448 43.043,52.428 43.043,62.975 41.186,64.832 R31.2@41.186,65.04
OTW: R24.1 U5.2 | length 15.6
  Top Layer w0.254: U5.2 45.469,41.353 47.068,42.952 47.068,43.107 47.521,43.56 R24.1@47.676,43.56
OUT_A: C12.2 U3.2 U5.33 | length 18.9
  Top Layer w0.406: 17.662,42.653 U5.33 U5.33@21.061,42.653
  Top Layer w1.524: 13.31,41.637 13.315,41.607 13.356,41.391 C12.2 ; 15.977,42.305 17.662,42.653
  Top Layer w2.032: 11.368,41.096 13.315,41.607 15.977,42.305
  Top Layer w3.048: U3.2 11.368,41.013
OUT_B: C18.2 U3.1 U5.30 | length 17.7
  Top Layer w0.406: 18.449,44.603 U5.30 U5.30@21.061,44.603
  Top Layer w1.27: C18.2 13.842,44.705 13.995,44.552
  Top Layer w1.524: 16.345,44.552 16.38,44.587 17.884,44.587
  Top Layer w2.032: 12.7,44.552 13.995,44.552 16.345,44.552
  Top Layer w3.048: U3.1 10.836,44.267 ccw(c10.949,45.991) 10.949,44.264 12.419,44.264
OUT_C: C20.2 U2.2 U5.25 | length 16.8
  Top Layer w0.406: 17.917,47.853 U5.25@19.951,47.853 ; U5.25 U5.25@21.061,47.853
  Top Layer w1.27: 15.735,49.437 16.839,48.798 ccw(c17.641,50.183) 16.884,48.774 cw(c16.202,47.496) 17.22,48.526 17.917,47.837
  Top Layer w2.032: 11.684,49.787 11.807,49.776 15.735,49.437
  Top Layer w3.048: U2.2@4.826,50.378 11.684,49.787
OUT_D: C23.1 U2.1 U5.22 | length 20
  Top Layer w0.406: 17.739,50.129 ccw(c18.109,50.295) 17.82,50.009 18.026,49.804 18.043,49.787 18.044,49.787 ; 18.043,49.803 U5.22@19.951,49.803 ; U5.22 U5.22@21.061,49.803
  Top Layer w1.27: 13.49,52.437 13.505,52.477 ; 13.505,52.48 13.538,52.569 C23.1
  Top Layer w1.524: 16.041,51.652 16.884,51.052 cw(c15.735,49.437) 17.437,50.453 ccw(c18.745,51.234) 17.639,50.185 17.641,50.183 cw(c16.202,47.496) 17.739,50.129
  Top Layer w2.032: 13.49,52.437 13.501,52.433 15.39,51.774 ccw(c16.055,53.694) 15.854,51.672 15.959,51.661 cw(c15.735,49.437) 16.041,51.652
  Top Layer w3.048: U2.1@4.826,55.458 12.697,52.876 cw(c11.684,49.787) 13.505,52.48 cw(c11.684,49.787) 13.515,52.473
PWM_A: CN3.7 P1.7 R1.1 | length 6.2
  Top Layer w1.27: CN3.7@7.645,77.902 CN3.7 P1.7
  Bottom Layer w1.27: R1.1@9.598,77.902 P1.7
PWM_B: CN3.5 P1.5 R10.1 | length 6.3
  Top Layer w1.27: CN3.5@7.645,72.822 P1.5
  Bottom Layer w1.27: R10.1 9.424,72.946 9.479,72.891 11.538,72.891 P1.5@11.582,72.847
PWM_C: CN3.4 P1.4 R17.1 | length 6.3
  Top Layer w1.27: CN3.4 P1.4
  Bottom Layer w1.016: R17.1@9.424,70.296 9.432,70.289 11.702,70.289 P1.4
PWM_D: CN3.2 P1.2 R27.1 | length 11.8
  Top Layer w1.016: P1.2 11.84,65.202 12.082,64.96 12.224,64.96 16.99,60.194 16.99,59.979 R27.1@17.134,59.835
  Top Layer w1.27: CN3.2 P1.2
  Bottom Layer w1.27: P1.2@11.665,65.246 P1.2
RESET_AB: R6.1 SW1.5 | length 2.3
  Top Layer w0.254: SW1.5 R6.1
RESET_CD: R21.1 SW1.2 | length 2.1
  Top Layer w0.254: R21.1 36.574,74.599 SW1.2
RST-AB-IN: CN3.6 P1.6 SW1.6 | length 28.9
  Top Layer w0.254: P1.6 28.572,75.362 34.036,80.826 SW1.6
  Top Layer w1.27: CN3.6@7.645,75.362 P1.6
RST-CD-IN: CN3.3 P1.3 SW1.3 | length 29.3
  Top Layer w0.254: P1.3 18.156,74.188 33.763,74.188 34.036,74.461 SW1.3
  Top Layer w1.27: CN3.3 P1.3
pads on no net: CN1.3 CN1.4 CN3.9 CN3.10 U1.1 U1.4 U4.1 U4.4 U6.1 U6.4 U7.1 U7.4 U8.1 U8.4 U9.1 U9.4
copper on no net:
  other v5: 3.5,3.5 46.5,3.5 9.1,86.5 46.5,86.5

## Polygon pours and split planes (outlines as drawn)
GND on Top Layer "GND_L01_P012" (solid, pour order 12): 47.142,0 2.54,0 cw(c2.54,2.54) 0,2.54 0,87.528 cw(c2.54,87.528) 2.54,90.068 47.473,90.068 cw(c47.473,87.528) 50.013,87.528 50.013,2.565 cw(c47.473,2.565) 47.473,0.025 47.142,0.025
12V on Top Layer "12V_L01_P003" (solid, pour order 3): 42.621,7.036 44.044,8.28 44.044,11.328 42.088,12.471 38.722,13.119 37.821,14.021 38.049,20.701 35.979,23.152 32.893,23.978 31.374,26.787 31.598,32.156 31.598,53.264 30.121,54.74 23.241,54.74 21.488,52.987 21.488,40.056 17.348,35.916 4.928,35.916 3.67,34.658 3.785,32.41 5.613,30.785 9.689,26.787 15.735,20.917 17.704,15.951 20.879,11.659 33.122,11.328 35.357,11.328 36.373,11.659 38.925,9.309 41.097,7.874
GND on Top Layer "GND_L01_P002" (solid, pour order 2): 18.742,49.231 19.075,49.396 21.387,49.447 21.601,49.78 25.239,49.863 25.679,49.589 25.679,47.923 25.476,47.681 21.601,47.681 21.26,48.238 19.075,48.266 18.742,48.503
GND on Top Layer "GND_L01_P001" (solid, pour order 1): 18.742,44.031 19.075,44.196 21.387,44.247 21.601,44.58 25.239,44.663 25.679,44.389 25.679,42.723 25.476,42.481 21.601,42.481 21.26,43.038 19.075,43.066 18.742,43.303
GND on Bottom Layer "GND_L02_P013" (solid, pour order 13): 47.142,0 2.54,0 cw(c2.54,2.54) 0,2.54 0,87.528 cw(c2.54,87.528) 2.54,90.068 47.473,90.068 cw(c47.473,87.528) 50.013,87.528 50.013,2.565 cw(c47.473,2.565) 47.473,0.025 47.142,0.025

## Keep-outs
Keep-Out Layer:
  the board outline again, w0.254

## Silkscreen, mask and mechanical layers (free items; w line width, h text height)
Top Overlay:
  lines w0.127: 44.958,50.752 44.958,54.102 ; 47.244,51.054 47.244,53.67
  lines w0.203: 48.222,58.354 50.038,58.354 ; 48.241,65.974 50.038,65.974
  text "PWM频率需大于20KHz / PWM脉冲需大于200ns" at 19.041,80.129 h2.03 r270
  text "开" at 28.861,77.148 h3.05
  text "关" at 42.185,77.139 h3.05
  text "3.3V" at 47.343,70.536 h2.03 r90
  text "3.3V /  / PWM_A /  / RST_AB /  / PWM_B /  / PWM_C /  / RST_CD /  / PWM_D /  / GND" at 13.31,62.154 h1.96
  text "GND     M1     3.3V / GND     M2     3.3V" at 49.701,58.734 h1.02 r90
  text "47uF" at 42.445,54.132 h1.02
  text "FAULT" at 46.119,50.752 h1.52 r90
  text "OTW" at 48.412,50.017 h1.52 r90
  text "DRV8432" at 27.668,41.546 h3.05 r90
  text "330uF" at 42.014,37.678 h1.52
  text "12V" at 49.632,34.164 h2.03 r90
  text "12V" at 11.76,32.385 h1.52
  text "GND" at 11.557,28.956 h1.52
  text "电机1 - D / 电机2 - C / 电机3 - B / 电机4 - A" at 22.559,28.786 h2.03
  text "by BruceChen / 2021.10.08" at 0.744,23.8 h3.05 r270
  text "1000uF 50V" at 12.167,11.215 h1.52
  text "供电电压12V / 输出持续电流 2×7A / 输出峰值电流 2×12A" at 26.475,0.965 h2.03
Bottom Overlay:
  text "D" at 8.738,54.127 h2.54
  text "C" at 8.738,49.174 h2.54
  text "B" at 8.738,43.366 h2.54
  text "A" at 8.738,38.227 h2.54
  text "12V" at 10.617,33.071 h1.52
  text "GND" at 10.795,28.118 h1.52
Mechanical 1:
  the board outline again, w0.254

## Dimensions
11.709,80.442 to 11.709,77.902 on Mechanical 1
4.826,55.373 to 3,90 on Mechanical 1
4.826,50.293 to 4.826,55.373 on Mechanical 1
4.826,44.663 to 4.826,50.293 on Mechanical 1
4.826,39.583 to 4.826,44.663 on Mechanical 1
4.826,33.934 to 4.826,39.583 on Mechanical 1
4.826,28.854 to 4.826,33.934 on Mechanical 1
3,0 to 4.826,28.854 on Mechanical 1
47,0 to 47,90 on Mechanical 1
46.5,3.5 to 46.5,86.5 on Mechanical 1
46.5,86.5 to 50,87 on Mechanical 1
9.1,86.5 to 46.5,86.5 on Mechanical 1
9.1,86.5 to 0,87 on Mechanical 1
0,3 to 50,3 on Mechanical 1
3.5,3.5 to 46.5,3.5 on Mechanical 1

## Text inside footprints (layer, text, board x,y; h text height)
CN3: Top Overlay "*" at 4.637,61.628 h2.03 r211